# KiCad board FlightComputer.kicad_pcb (continued)
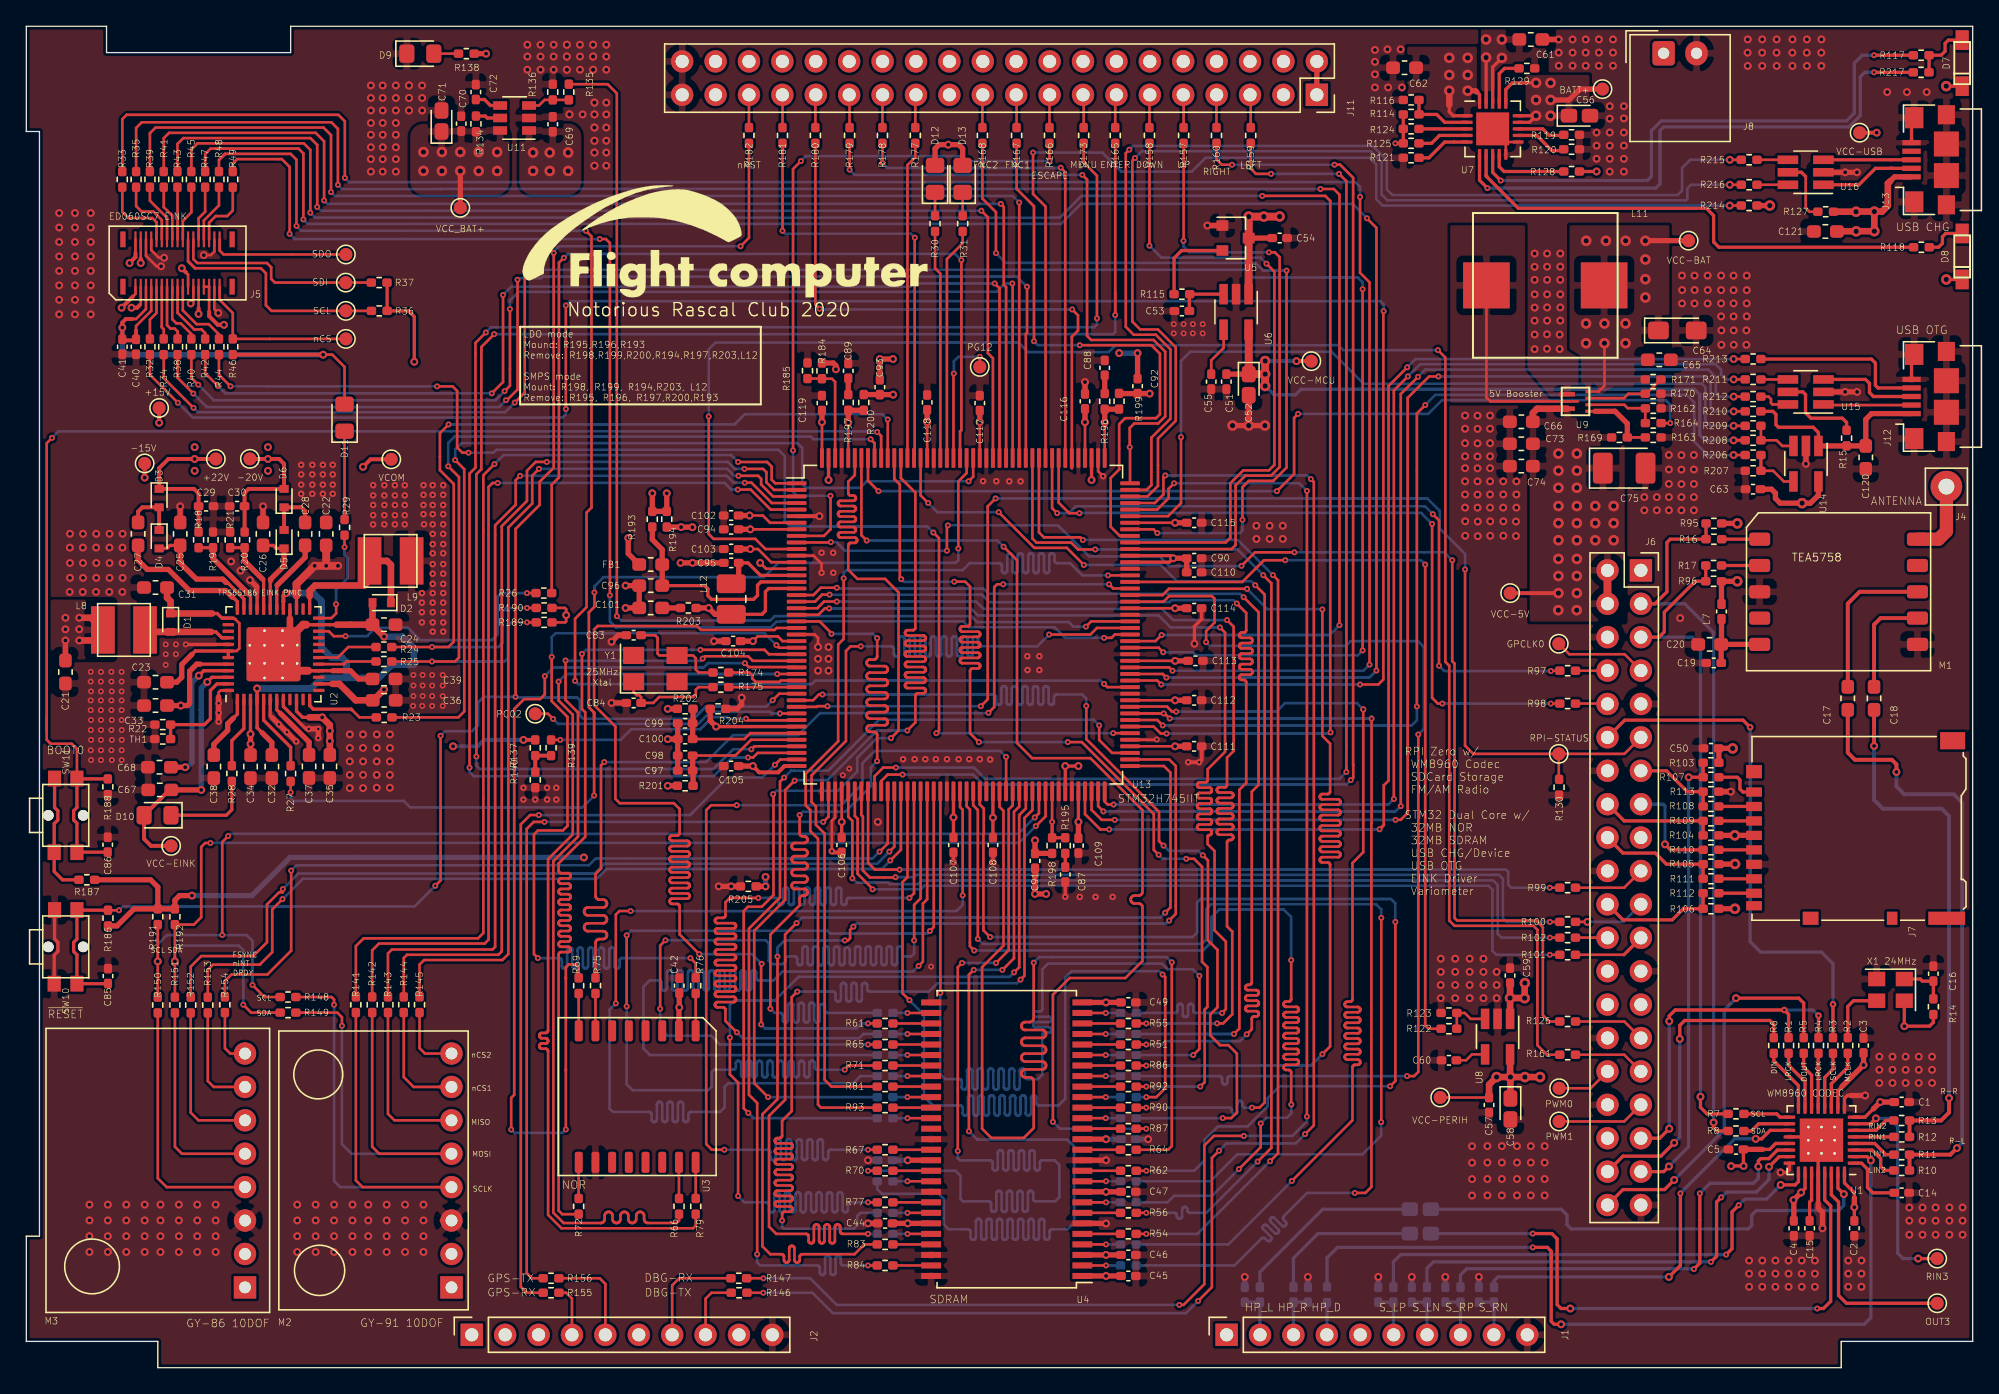
[diagram p0: board, top side]
## Routing (per net, layer and track width the routed paths; a pad name or vN(x,y) marks a point on that pad's centre or on a via; arc(x,y) is an arc through that point) (continued)
  Bottom w0.2: R80.1 63.42,11.78 63.18,11.53 63.18,10.82 62.93,10.57 57.6,10.57 57.5,10.67 57.47,10.67 v1(57.47,11.19) ; v1(75.6,29.51) 75.31,29.22 69.26,29.23 68.63,28.6 64.14,28.6 64.1,28.61 64.05,28.62 64.02,28.64 63.98,28.68 63.96,28.71 63.95,28.76 63.94,28.8 63.94,29.06 63.93,29.1 63.92,29.15 63.9,29.18 63.86,29.22 63.83,29.24 63.78,29.25 63.74,29.26 63.7,29.25 63.65,29.24 63.62,29.22 63.58,29.18 63.56,29.15 63.55,29.1 63.54,29.06 63.54,28.04 63.53,28 63.52,27.95 63.5,27.92 63.46,27.88 63.43,27.86 63.38,27.85 63.34,27.84 63.3,27.85 63.25,27.86 63.22,27.88 63.18,27.92 63.16,27.95 63.15,28 63.14,28.04 63.14,29.06 63.13,29.1 63.12,29.15 63.1,29.18 63.06,29.22 63.03,29.24 62.98,29.25 62.94,29.26 62.9,29.25 62.85,29.24 62.82,29.22 62.78,29.18 62.76,29.15 62.75,29.1 62.74,29.06 62.74,28.04 62.73,28 62.72,27.95 62.7,27.92 62.66,27.88 62.63,27.86 62.58,27.85 62.54,27.84 62.5,27.85 62.45,27.86 62.42,27.88 62.38,27.92 62.36,27.95 62.35,28 62.34,28.04 62.34,29.06 62.33,29.1 62.32,29.15 62.3,29.18 62.26,29.22 62.23,29.24 62.18,29.25 62.14,29.26 62.1,29.25 62.05,29.24 62.02,29.22 61.98,29.18 61.96,29.15 61.95,29.1 61.94,29.06 61.94,28.04 61.93,28 61.92,27.95 61.9,27.92 61.86,27.88 61.83,27.86 61.78,27.85 61.74,27.84 61.7,27.85 61.65,27.86 61.62,27.88 61.58,27.92 61.56,27.95 61.55,28 61.54,28.04 61.54,28.4 61.53,28.44 61.52,28.49 61.5,28.52 61.46,28.56 61.43,28.58 61.38,28.59 61.34,28.6 v1(58.62,28.6)
/MCU/FMC_D13: length 82.2
  Top w0.2: v1(86.6,34.6) 87,35 87,45.25 86.5,45.75 U13.89 ; v1(64,10.17) 62.09,10.17 62.04,10.18 62,10.19 61.96,10.22 61.93,10.25 61.9,10.29 61.89,10.33 61.88,10.38 61.88,10.69 61.88,10.74 61.87,10.78 61.84,10.82 61.81,10.85 61.77,10.87 61.73,10.89 61.69,10.89 61.64,10.89 61.6,10.87 61.56,10.85 61.53,10.82 61.5,10.78 61.49,10.74 61.48,10.69 61.48,9.66 61.48,9.61 61.47,9.57 61.44,9.53 61.41,9.5 61.37,9.48 61.33,9.46 61.28,9.46 61.24,9.46 61.2,9.48 61.16,9.5 61.13,9.53 61.1,9.57 61.09,9.61 61.09,9.66 61.09,10.69 61.08,10.74 61.07,10.78 61.04,10.82 61.01,10.85 60.97,10.87 60.93,10.89 60.88,10.89 60.84,10.89 60.8,10.87 60.76,10.85 60.73,10.82 60.7,10.78 60.69,10.74 60.69,10.69 60.69,9.66 60.68,9.61 60.67,9.57 60.64,9.53 60.61,9.5 60.57,9.48 60.53,9.46 60.48,9.46 60.44,9.46 60.4,9.48 60.36,9.5 60.33,9.53 60.3,9.57 60.29,9.61 60.28,9.66 60.28,10.69 60.28,10.74 60.27,10.78 60.24,10.82 60.21,10.85 60.17,10.87 60.13,10.89 60.09,10.89 60.04,10.89 60,10.87 59.96,10.85 59.93,10.82 59.9,10.78 59.89,10.74 59.88,10.69 59.88,9.66 59.88,9.61 59.87,9.57 59.84,9.53 59.81,9.5 59.77,9.48 59.73,9.46 59.69,9.46 59.64,9.46 59.6,9.48 59.56,9.5 59.53,9.53 59.5,9.57 59.49,9.61 59.48,9.66 59.48,9.97 59.48,10.02 59.47,10.06 59.44,10.1 59.41,10.13 59.37,10.16 59.33,10.17 59.28,10.17 57.02,10.17 56.48,10.72 56.48,19.15 57.7,20.37 57.7,32.94 v1(58.57,33.81)
  Bottom w0.2: v1(86.6,34.6) 86.22,34.22 58.98,34.22 v1(58.57,33.81) ; R82.1 v1(64,10.17)
/MCU/FMC_D14: length 82.2
  Top w0.2: v1(86.9,34) 87.4,34.5 87.4,45.76 86.91,46.25 U13.90 ; v1(62.89,33.54) 62.64,33.29 62.64,32.65 62.48,32.49 v1(62.24,32.49) ; R83.1 63.73,9.38 62.98,8.63 59.01,8.63 58.97,8.62 58.92,8.61 58.89,8.59 58.85,8.55 58.83,8.52 58.82,8.47 58.81,8.43 58.81,8.2 58.8,8.15 58.79,8.11 58.77,8.07 58.73,8.04 58.7,8.02 58.65,8 58.61,8 58.57,8 58.52,8.02 58.49,8.04 58.45,8.07 58.43,8.11 58.42,8.15 58.41,8.2 58.41,9.06 58.4,9.11 58.39,9.15 58.37,9.19 58.33,9.22 58.3,9.24 58.25,9.26 58.21,9.26 58.17,9.26 58.12,9.24 58.09,9.22 58.05,9.19 58.03,9.15 58.02,9.11 58.01,9.06 58.01,8.2 58,8.15 57.99,8.11 57.97,8.07 57.93,8.04 57.9,8.02 57.85,8 57.81,8 57.77,8 57.72,8.02 57.69,8.04 57.65,8.07 57.63,8.11 57.62,8.15 57.61,8.2 57.61,8.43 57.6,8.47 57.59,8.52 57.57,8.55 57.53,8.59 57.5,8.61 57.45,8.62 57.41,8.63 56.57,8.63 55.98,9.22 55.98,19.28 57.12,20.42 v1(57.12,31.26)
  Bottom w0.2: v1(62.24,32.49) 57.66,32.49 57.12,31.95 v1(57.12,31.26) ; v1(62.89,33.54) 63.12,33.78 86.68,33.78 v1(86.9,34)
/MCU/FMC_D15: length 82.2
  Top w0.2: v1(55.58,8.62) 55.58,20.12 54.95,20.75 54.95,33.39 57.31,35.75 57.31,44.56 v1(57.62,44.88) ; U13.91 82.56,46.75 81.58,47.73 v1(81.58,48.84) ; R84.1 v1(64,7.78)
  Bottom w0.2: v1(57.62,44.88) 58.15,45.4 60.98,45.4 64.86,49.28 68.92,49.27 81.15,49.27 v1(81.58,48.84) ; v1(55.58,8.62) 55.58,8 55.8,7.78 60.13,7.78 60.18,7.77 60.22,7.76 60.26,7.73 60.29,7.7 60.32,7.66 60.33,7.62 60.34,7.58 60.34,7.25 60.34,7.2 60.35,7.16 60.38,7.12 60.41,7.09 60.45,7.07 60.49,7.05 60.53,7.05 60.58,7.05 60.62,7.07 60.66,7.09 60.69,7.12 60.72,7.16 60.73,7.2 60.73,7.25 60.73,8.3 60.74,8.35 60.75,8.39 60.78,8.43 60.81,8.46 60.85,8.48 60.89,8.5 60.94,8.5 60.98,8.5 61.02,8.48 61.06,8.46 61.09,8.43 61.12,8.39 61.13,8.35 61.13,8.3 61.13,7.25 61.14,7.2 61.15,7.16 61.18,7.12 61.21,7.09 61.25,7.07 61.29,7.05 61.34,7.05 61.38,7.05 61.42,7.07 61.46,7.09 61.49,7.12 61.52,7.16 61.53,7.2 61.53,7.25 61.53,8.3 61.54,8.35 61.55,8.39 61.58,8.43 61.61,8.46 61.65,8.48 61.69,8.5 61.73,8.5 61.78,8.5 61.82,8.48 61.86,8.46 61.89,8.43 61.92,8.39 61.93,8.35 61.94,8.3 61.94,7.97 61.94,7.93 61.95,7.89 61.98,7.85 62.01,7.82 62.05,7.79 62.09,7.78 62.13,7.78 v1(64,7.78)
/MCU/FMC_nBL0: length 82.2
  Top w0.2: v1(78.06,18.7) 78.06,28.36 79.33,29.63 83.57,29.63 84.87,30.93 84.87,35 84.86,35.07 84.84,35.13 84.8,35.19 84.76,35.23 84.7,35.27 84.64,35.29 84.57,35.3 84.28,35.3 84.21,35.31 84.15,35.33 84.09,35.37 84.04,35.41 84.01,35.47 83.98,35.53 83.98,35.6 83.98,35.67 84.01,35.73 84.04,35.79 84.09,35.83 84.15,35.87 84.21,35.89 84.28,35.9 84.57,35.9 84.64,35.91 84.7,35.93 84.76,35.97 84.8,36.01 84.84,36.07 84.86,36.13 84.87,36.2 84.87,42.39 80.91,46.35 76.48,46.35 75.33,47.5 75.33,61.41 v1(74.31,62.43) ; U13.170 63.5,63.3 v1(63.9,62.9) ; R87.2 v1(85.16,18.17)
  Bottom w0.2: v1(63.9,62.9) 73.84,62.9 v1(74.31,62.43) ; v1(78.06,18.7) 78.58,18.17 85,18.17
/MCU/FMC_nBL1: length 82.2
  Top w0.2: v1(56.79,43.61) 56.81,43.59 56.81,35.94 55.92,35.05 54.87,35.05 54.55,34.73 54.55,19.72 v1(54.9,19.38) ; U13.171 63,67.88 62.5,67.38 62.5,66.52 62.51,66.48 62.52,66.43 62.54,66.4 62.58,66.36 62.61,66.34 62.66,66.33 62.7,66.32 62.88,66.32 62.92,66.31 62.96,66.3 63,66.28 63.03,66.24 63.06,66.21 63.07,66.16 63.08,66.12 63.07,66.08 63.06,66.03 63.03,66 63,65.96 62.96,65.94 62.92,65.93 62.88,65.92 61.92,65.92 61.88,65.91 61.84,65.9 61.8,65.88 61.77,65.84 61.74,65.81 61.73,65.76 61.72,65.72 61.73,65.68 61.74,65.63 61.77,65.6 61.8,65.56 61.84,65.54 61.88,65.53 61.92,65.52 62.88,65.52 62.92,65.51 62.96,65.5 63,65.48 63.03,65.44 63.06,65.41 63.07,65.36 63.08,65.32 63.07,65.28 63.06,65.23 63.03,65.2 63,65.16 62.96,65.14 62.92,65.13 62.88,65.12 61.92,65.12 61.88,65.11 61.84,65.1 61.8,65.08 61.77,65.04 61.74,65.01 61.73,64.96 61.72,64.92 61.73,64.88 61.74,64.83 61.77,64.8 61.8,64.76 61.84,64.74 61.88,64.73 61.92,64.72 62.88,64.72 62.92,64.71 62.96,64.7 63,64.68 63.03,64.64 63.06,64.61 63.07,64.56 63.08,64.52 63.07,64.48 63.06,64.43 63.03,64.4 63,64.36 62.96,64.34 62.92,64.33 62.88,64.32 61.92,64.32 61.88,64.31 61.84,64.3 61.8,64.28 61.77,64.24 61.74,64.21 61.73,64.16 61.72,64.12 61.73,64.08 61.74,64.03 61.77,64 61.8,63.96 61.84,63.94 61.88,63.93 61.92,63.92 62.88,63.92 62.92,63.91 62.96,63.9 63,63.88 63.03,63.84 63.06,63.81 63.07,63.76 63.08,63.72 63.07,63.68 63.06,63.63 63.03,63.6 63,63.56 62.96,63.54 62.92,63.53 62.88,63.52 61.92,63.52 61.88,63.51 61.84,63.5 61.8,63.48 61.77,63.44 61.74,63.41 61.73,63.36 61.72,63.32 61.73,63.28 61.74,63.23 61.77,63.2 61.8,63.16 61.84,63.14 61.88,63.13 61.92,63.12 62.98,63.12 63.02,63.11 63.06,63.1 63.1,63.08 63.13,63.04 63.16,63.01 63.17,62.96 63.18,62.92 63.17,62.88 63.16,62.83 63.13,62.8 63.1,62.76 63.06,62.74 63.02,62.73 62.98,62.72 62.7,62.72 62.66,62.71 62.61,62.7 62.58,62.68 62.54,62.64 62.52,62.61 62.51,62.56 62.5,62.52 62.5,60.67 63.2,59.98 65.3,59.98 66.33,58.95 66.33,48.45 v1(65.75,47.88)
  Bottom w0.2: v1(56.79,43.61) 57.05,43.87 61.72,43.87 63.18,45.33 63.18,46.38 64.67,47.88 v1(65.75,47.88) ; v1(54.9,19.38) 55.3,18.97 R88.2
/MCU/FMC_nCAS: length 82.2
  Top w0.2: v1(73.94,65.05) 76.65,62.34 79.12,62.34 80.41,61.05 v1(80.41,61.04) ; v1(93.45,59.5) 94.16,58.79 94.16,20.16 93.78,19.78 v1(93.2,19.78) ; U13.161 68,66.33 v1(68.58,65.75) ; R90.2 v1(85.16,19.78)
  Bottom w0.2: v1(68.58,65.75) 69.28,65.05 v1(73.94,65.05) ; v1(85.16,19.78) 91.47,19.78 91.52,19.77 91.56,19.76 91.6,19.73 91.63,19.7 91.66,19.66 91.67,19.62 91.67,19.58 91.67,19.46 91.68,19.41 91.69,19.37 91.72,19.33 91.75,19.3 91.79,19.28 91.83,19.26 91.88,19.26 91.92,19.26 91.96,19.28 92,19.3 92.03,19.33 92.06,19.37 92.07,19.41 92.08,19.46 92.08,20.09 92.08,20.14 92.09,20.18 92.12,20.22 92.15,20.25 92.19,20.27 92.23,20.29 92.28,20.29 92.32,20.29 92.36,20.27 92.4,20.25 92.43,20.22 92.46,20.18 92.47,20.14 92.47,20.09 92.47,19.97 92.48,19.93 92.49,19.89 92.52,19.85 92.55,19.82 92.59,19.79 92.63,19.78 92.67,19.78 v1(93.2,19.78) ; v1(93.45,59.5) 93.15,59.8 87.49,59.8 86.25,61.04 v1(80.41,61.04)
/MCU/FMC_nE1: length 82.2
  Top w0.2: v1(86.1,39) 85.73,39.37 85.73,42.1 80.26,47.57 v1(79.19,47.57) ; v1(66.53,59.96) 66.42,60.07 66.42,67.16 66,67.58 U13.165 ; v1(88.2,38.7) 88.79,38.7 89.4,38.09 89.4,30.87 89.81,30.46 89.81,27.44 89.6,27.23 89.6,21.71 v1(89.27,21.38) ; v1(72.43,47.57) 71.76,48.24 71.76,52.97 71.77,53.01 71.78,53.06 71.8,53.09 71.84,53.13 71.87,53.15 71.92,53.16 71.96,53.17 72.33,53.17 72.37,53.18 72.42,53.19 72.45,53.21 72.49,53.25 72.51,53.28 72.52,53.33 72.53,53.37 72.52,53.41 72.51,53.46 72.49,53.49 72.45,53.53 72.42,53.55 72.37,53.56 72.33,53.57 71.19,53.57 71.15,53.58 71.1,53.59 71.07,53.61 71.03,53.65 71.01,53.68 71,53.73 70.99,53.77 71,53.81 71.01,53.86 71.03,53.89 71.07,53.93 71.1,53.95 71.15,53.96 71.19,53.97 72.33,53.97 72.37,53.98 72.42,53.99 72.45,54.01 72.49,54.05 72.51,54.08 72.52,54.13 72.53,54.17 72.52,54.21 72.51,54.26 72.49,54.29 72.45,54.33 72.42,54.35 72.37,54.36 72.33,54.37 71.19,54.37 71.15,54.38 71.1,54.39 71.07,54.41 71.03,54.45 71.01,54.48 71,54.53 70.99,54.57 71,54.61 71.01,54.66 71.03,54.69 71.07,54.73 71.1,54.75 71.15,54.76 71.19,54.77 72.33,54.77 72.37,54.78 72.42,54.79 72.45,54.81 72.49,54.85 72.51,54.88 72.52,54.93 72.53,54.97 72.52,55.01 72.51,55.06 72.49,55.09 72.45,55.13 72.42,55.15 72.37,55.16 72.33,55.17 71.19,55.17 71.15,55.18 71.1,55.19 71.07,55.21 71.03,55.25 71.01,55.28 71,55.33 70.99,55.37 71,55.41 71.01,55.46 71.03,55.49 71.07,55.53 71.1,55.55 71.15,55.56 71.19,55.57 72.33,55.57 72.37,55.58 72.42,55.59 72.45,55.61 72.49,55.65 72.51,55.68 72.52,55.73 72.53,55.77 72.52,55.81 72.51,55.86 72.49,55.89 72.45,55.93 72.42,55.95 72.37,55.96 72.33,55.97 71.19,55.97 71.15,55.98 71.1,55.99 71.07,56.01 71.03,56.05 71.01,56.08 71,56.13 70.99,56.17 71,56.21 71.01,56.26 71.03,56.29 71.07,56.33 71.1,56.35 71.15,56.36 71.19,56.37 71.56,56.37 71.6,56.38 71.65,56.39 71.68,56.41 71.72,56.45 71.74,56.48 71.75,56.53 71.76,56.57 71.76,59.4 71.39,59.77 v1(70.56,59.77) ; R92.2 v1(85.16,21.38)
  Bottom w0.2: v1(85.16,21.38) v1(89.27,21.38) ; v1(86.1,39) 86.4,38.7 v1(88.2,38.7) ; v1(70.56,59.77) 70.55,59.76 66.73,59.76 v1(66.53,59.96) ; v1(72.43,47.57) v1(79.19,47.57)
/MCU/FMC_nRAS: length 82.2
  Top w0.2: v1(67.16,27.94) 66.62,28.47 66.62,36.92 67,37.3 U13.58 ; v1(86.4,29.9) 86.6,29.7 86.6,21.25 85.92,20.58 v1(85.16,20.58)
  Bottom w0.2: v1(67.16,27.94) 68.26,26.84 68.26,20.62 68.94,19.94 71,19.94 71.04,19.93 71.09,19.92 71.12,19.9 71.16,19.86 71.18,19.83 71.19,19.78 71.2,19.74 71.2,19.37 71.21,19.33 71.22,19.29 71.24,19.25 71.28,19.22 71.31,19.19 71.36,19.18 71.4,19.17 71.44,19.18 71.49,19.19 71.52,19.22 71.56,19.25 71.58,19.29 71.59,19.33 71.6,19.37 71.6,20.51 71.61,20.55 71.62,20.59 71.64,20.63 71.68,20.66 71.71,20.69 71.76,20.7 71.8,20.71 71.84,20.7 71.89,20.69 71.92,20.66 71.96,20.63 71.98,20.59 71.99,20.55 72,20.51 72,19.37 72.01,19.33 72.02,19.29 72.04,19.25 72.08,19.22 72.11,19.19 72.16,19.18 72.2,19.17 72.24,19.18 72.29,19.19 72.32,19.22 72.36,19.25 72.38,19.29 72.39,19.33 72.4,19.37 72.4,20.51 72.41,20.55 72.42,20.59 72.44,20.63 72.48,20.66 72.51,20.69 72.56,20.7 72.6,20.71 72.64,20.7 72.69,20.69 72.72,20.66 72.76,20.63 72.78,20.59 72.79,20.55 72.8,20.51 72.8,19.37 72.81,19.33 72.82,19.29 72.84,19.25 72.88,19.22 72.91,19.19 72.96,19.18 73,19.17 73.04,19.18 73.09,19.19 73.12,19.22 73.16,19.25 73.18,19.29 73.19,19.33 73.2,19.37 73.2,20.51 73.21,20.55 73.22,20.59 73.24,20.63 73.28,20.66 73.31,20.69 73.36,20.7 73.4,20.71 73.44,20.7 73.49,20.69 73.52,20.66 73.56,20.63 73.58,20.59 73.59,20.55 73.6,20.51 73.6,19.37 73.61,19.33 73.62,19.29 73.64,19.25 73.68,19.22 73.71,19.19 73.76,19.18 73.8,19.17 73.84,19.18 73.89,19.19 73.92,19.22 73.96,19.25 73.98,19.29 73.99,19.33 74,19.37 74,20.51 74.01,20.55 74.02,20.59 74.04,20.63 74.08,20.66 74.11,20.69 74.16,20.7 74.2,20.71 74.24,20.7 74.29,20.69 74.32,20.66 74.36,20.63 74.38,20.59 74.39,20.55 74.4,20.51 74.4,19.37 74.41,19.33 74.42,19.29 74.44,19.25 74.48,19.22 74.51,19.19 74.56,19.18 74.6,19.17 74.64,19.18 74.69,19.19 74.72,19.22 74.76,19.25 74.78,19.29 74.79,19.33 74.8,19.37 74.8,20.51 74.81,20.55 74.82,20.59 74.84,20.63 74.88,20.66 74.91,20.69 74.96,20.7 75,20.71 75.04,20.7 75.09,20.69 75.12,20.66 75.16,20.63 75.18,20.59 75.19,20.55 75.2,20.51 75.2,19.37 75.21,19.33 75.22,19.29 75.24,19.25 75.28,19.22 75.31,19.19 75.36,19.18 75.4,19.17 75.44,19.18 75.49,19.19 75.52,19.22 75.56,19.25 75.58,19.29 75.59,19.33 75.6,19.37 75.6,20.51 75.61,20.55 75.62,20.59 75.64,20.63 75.68,20.66 75.71,20.69 75.76,20.7 75.8,20.71 75.84,20.7 75.89,20.69 75.92,20.66 75.96,20.63 75.98,20.59 75.99,20.55 76,20.51 76,19.37 76.01,19.33 76.02,19.29 76.04,19.25 76.08,19.22 76.11,19.19 76.16,19.18 76.2,19.17 76.24,19.18 76.29,19.19 76.32,19.22 76.36,19.25 76.38,19.29 76.39,19.33 76.4,19.37 76.4,20.51 76.41,20.55 76.42,20.59 76.44,20.63 76.48,20.66 76.51,20.69 76.56,20.7 76.6,20.71 76.64,20.7 76.69,20.69 76.72,20.66 76.76,20.63 76.78,20.59 76.79,20.55 76.8,20.51 76.8,20.14 76.81,20.1 76.82,20.05 76.84,20.02 76.88,19.98 76.91,19.96 76.96,19.95 77,19.94 78.48,19.94 79,20.46 79,29.65 79.49,30.15 86.15,30.15 v1(86.4,29.9) ; R91.2 v1(85.16,20.58)
/MCU/FMC_nWE: length 82.2
  Top w0.2: v1(60.54,51.19) 60.26,51.19 59.82,50.75 U13.34 ; v1(89.46,38.96) 89.85,38.58 89.85,32.5 90.57,31.78 90.57,27.41 90.03,26.86 90.03,25.27 90.76,24.54 90.76,24.52 91.41,24.52 92.05,23.88 92.05,19.41 91.62,18.98 v1(90.97,18.98) ; v1(86.48,39.7) 86.13,40.04 86.13,42.26 80.6,47.79 v1(80.6,50.33)
  Bottom w0.2: v1(60.54,51.19) 73.54,51.19 73.58,51.18 73.63,51.17 73.66,51.15 73.7,51.11 73.72,51.08 73.73,51.03 73.74,50.99 73.74,50.6 73.75,50.56 73.76,50.52 73.78,50.48 73.82,50.45 73.85,50.42 73.9,50.41 73.94,50.4 73.98,50.41 74.03,50.42 74.06,50.45 74.1,50.48 74.12,50.52 74.13,50.56 74.14,50.6 74.14,51.63 74.15,51.67 74.16,51.71 74.18,51.75 74.22,51.78 74.25,51.81 74.3,51.82 74.34,51.83 74.38,51.82 74.43,51.81 74.46,51.78 74.5,51.75 74.52,51.71 74.53,51.67 74.54,51.63 74.54,50.6 74.55,50.56 74.56,50.52 74.58,50.48 74.62,50.45 74.65,50.42 74.7,50.41 74.74,50.4 74.78,50.41 74.83,50.42 74.86,50.45 74.9,50.48 74.92,50.52 74.93,50.56 74.94,50.6 74.94,51.63 74.95,51.67 74.96,51.71 74.98,51.75 75.02,51.78 75.05,51.81 75.1,51.82 75.14,51.83 75.18,51.82 75.23,51.81 75.26,51.78 75.3,51.75 75.32,51.71 75.33,51.67 75.34,51.63 75.34,50.6 75.35,50.56 75.36,50.52 75.38,50.48 75.42,50.45 75.45,50.42 75.5,50.41 75.54,50.4 75.58,50.41 75.63,50.42 75.66,50.45 75.7,50.48 75.72,50.52 75.73,50.56 75.74,50.6 75.74,51.63 75.75,51.67 75.76,51.71 75.78,51.75 75.82,51.78 75.85,51.81 75.9,51.82 75.94,51.83 75.98,51.82 76.03,51.81 76.06,51.78 76.1,51.75 76.12,51.71 76.13,51.67 76.14,51.63 76.14,50.6 76.15,50.56 76.16,50.52 76.18,50.48 76.22,50.45 76.25,50.42 76.3,50.41 76.34,50.4 76.38,50.41 76.43,50.42 76.46,50.45 76.5,50.48 76.52,50.52 76.53,50.56 76.54,50.6 76.54,51.63 76.55,51.67 76.56,51.71 76.58,51.75 76.62,51.78 76.65,51.81 76.7,51.82 76.74,51.83 76.78,51.82 76.83,51.81 76.86,51.78 76.9,51.75 76.92,51.71 76.93,51.67 76.94,51.63 76.94,50.6 76.95,50.56 76.96,50.52 76.98,50.48 77.02,50.45 77.05,50.42 77.1,50.41 77.14,50.4 77.18,50.41 77.23,50.42 77.26,50.45 77.3,50.48 77.32,50.52 77.33,50.56 77.34,50.6 77.34,51.63 77.35,51.67 77.36,51.71 77.38,51.75 77.42,51.78 77.45,51.81 77.5,51.82 77.54,51.83 77.58,51.82 77.63,51.81 77.66,51.78 77.7,51.75 77.72,51.71 77.73,51.67 77.74,51.63 77.74,50.6 77.75,50.56 77.76,50.52 77.78,50.48 77.82,50.45 77.85,50.42 77.9,50.41 77.94,50.4 77.98,50.41 78.03,50.42 78.06,50.45 78.1,50.48 78.12,50.52 78.13,50.56 78.14,50.6 78.14,50.99 78.15,51.03 78.16,51.08 78.18,51.11 78.22,51.15 78.25,51.17 78.3,51.18 78.34,51.19 80.29,51.19 80.6,50.88 v1(80.6,50.33) ; v1(86.48,39.7) 86.88,39.3 89.12,39.3 v1(89.46,38.96) ; R89.2 90.97,18.97 v1(90.97,18.98)
/MCU/MCU_POWER/SMPS_OUT: length 18.3
  Top w0.25: U13.17 56.45,59.25 56.2,59 56.2,57.55 55.94,57.29 L12.1
  Top w0.4: v2(85.42,74.07) 85.42,74.07 C92.2 83.11,74.07 R199.1 ; R203.2 v2(51.89,57.77) 52.37,57.29 L12.1 ; R198.1 78,39.11 C91.2 v2(76.7,40.1) ; v2(65.91,73.99) 65.91,73.99 C93.2 64.89,74 R200.1 ; v2(50.65,63.91) 50.64,63.92 v2(49.79,63.92) 49.79,63.92 R194.1
/MCU/MCU_POWER/VCAP: length 14.1
  Top w0.2: U13.133 v2(82,71.88) ; U13.80 v1(78,41.5) ; U13.172 v2(62.5,71.88)
  Top w0.25: v1(78,41.5) R198.2 R195.2
  Top w0.4: R200.2 R197.2 v2(62.5,71.88) ; R199.2 83.08,72.88 R196.2 v2(82,71.88)
/MCU/MCU_POWER/VLXSMPS: length 7.3
  Top w0.2: 54.09,60.1 L12.2
  Top w0.25: U13.15 55.82,60.25 54.87,61.2 C95.1
  Top w0.4: L12.2 54.17,60.18 C95.1
/MCU/MCU_POWER/VREF+: length 10.4
  Top w0.2: U13.39 55.05,48.25 54.6,47.8 C100.1
  Top w0.4: C100.1 C99.1 50.7,49.03 R202.1
/MCU/PWR_5V_EN: length 70.7
  Top w0.2: U13.169 64,67.45 v1(64.8,66.65) ; 124.3,71.83 v1(125,71.83) ; v1(95.09,66.65) 96.4,67.96 96.4,72.22 v1(96.7,72.53)
  Bottom w0.2: v1(64.8,66.65) v1(95.09,66.65) ; v1(125,71.83) 125,73.22 124.65,73.57 107.65,73.57 106.6,72.53 v1(96.7,72.53)
/MCU/PWR_BAT+_EN: length 83.5
  Top w0.2: R135.1 44.2,97.6 44.9,96.9 v1(44.9,57.15) ; v1(80.57,56.35) 80.97,56.75 U13.111
  Bottom w0.2: v1(44.9,57.15) 45.24,56.81 56.56,56.81 56.9,57.15 71.84,57.15 72.29,56.7 79.26,56.7 79.61,56.35 v1(80.57,56.35)
/MCU/PWR_LED1: length 17.4
  Top w0.2: R30.1 69.1,83.6 69.5,83.2 U13.158
/MCU/PWR_LED2: length 17.7
  Top w0.2: R31.1 71.2,85.5 70,84.3 U13.157
/MCU/PWR_PERIPH_EN: length 59.6
  Top w0.2: v1(95.73,61.4) 95.73,61.4 94.1,61.4 92.46,59.75 U13.117 ; R122.2 106.61,25.78 106.37,26.02 v1(106.37,61.07)
  Bottom w0.2: v1(95.73,61.4) 98.89,61.4 98.9,61.4 ; 98.9,61.4 106.04,61.4 v1(106.37,61.07) ; 98.9,61.4 98.88,61.4 98.88,61.4
/MCU/RPI_STATUS: length 99.3
  Top w0.2: U13.35 60.1,50.25 60.15,50.3 v1(60.92,50.3) ; TP14.1 116.53,44.76 R130.1 ; TP14.1 116.54,46.66 ; TP14.1 110.03,46.67 109.4,47.3 v1(109.4,60.7) ; TP14.1 121.52,46.67 J6.11 ; v1(73.7,66.1) 73.1,65.5 73.1,50.82 v1(72.58,50.3)
  Bottom w0.2: v1(109.4,60.7) 109.4,61.88 107.48,63.8 107.48,65.15 106.53,66.1 v1(73.7,66.1) ; 72.65,50.25 72.63,50.25 v1(72.58,50.3) 72.57,50.29 60.93,50.29 v1(60.92,50.3)
/MCU/USB_FS_DN: length 80.4
  Top w0.2: v1(84.3,91.98) 84.1,91.78 84.1,79.55 84.7,78.95 86.05,78.95 87.4,77.6 87.4,72 86.05,70.65 86.05,67.05 85.25,66.25 U13.130 ; R216.1 v2(129.53,89.95)
  Bottom w0.2: v2(129.53,89.95) 126.58,89.95 126.3,89.67 126.3,88.88 126.2,88.77 103.5,88.77 103.05,89.22 103.05,91.67 102.22,92.5 84.82,92.5 v1(84.3,91.98)
/MCU/USB_FS_DP: length 82
  Top w0.2: R215.1 v2(129.53,91.85) ; v1(83.87,92.62) 83.6,92.35 83.6,79.15 84.2,78.55 85.88,78.55 87,77.43 87,72.17 85.55,70.72 85.55,67.12 85.18,66.75 U13.131
  Bottom w0.2: v2(129.53,91.85) 126.53,91.85 125.9,91.23 125.9,89.5 125.57,89.17 103.88,89.17 103.45,89.6 103.45,91.83 102.38,92.9 84.15,92.9 v1(83.87,92.62)
/MCU/USB_FS_VBUS: length 81.6
  Top w0.2: R214.1 v2(129.53,88.37) ; v1(76.55,92.4) 76.55,89.25 77.5,88.3 U13.142
  Bottom w0.2: v1(76.55,92.4) 81.82,92.4 83.27,90.95 88.62,90.95 89.67,92 102.15,92 102.65,91.5 102.65,88.85 103.13,88.37 v2(129.53,88.37)
/MCU/USB_HS_DN: length 84.4
  Top w0.2: v1(105.83,75.35) 104.51,74.04 v1(104.51,42.7) ; U13.87 81.5,42.7 v1(81.9,42.3) ; R212.1 v2(129.83,73.84)
  Bottom w0.2: v1(105.83,75.35) 106.37,75.9 127.9,75.9 128.47,75.33 128.47,74.04 128.67,73.84 v2(129.83,73.84) ; v1(104.51,42.7) 104.11,42.3 v1(81.9,42.3)
/MCU/USB_HS_DP: length 82.3
  Top w0.2: R211.1 v2(129.83,75.15) ; v1(105.05,75.38) 103.99,74.31 v1(103.99,43.24) ; U13.88 82,43.05 82.22,42.83 v1(82.67,42.83)
  Bottom w0.2: v1(103.99,43.24) 103.57,42.83 v1(82.67,42.83) ; v1(105.05,75.38) 105.97,76.3 128.45,76.3 128.87,75.88 128.87,75.5 129.22,75.15 v2(129.83,75.15)
/MCU/USB_HS_ID: length 86.9
  Top w0.2: U13.85 80.5,42.09 81.66,40.93 v1(82.34,40.93) ; 103.16,41.2 v1(102.9,40.94) 103.22,41.26 103.22,44.28 103.58,44.65 103.58,74.65 v1(105,76.07) ; R213.1 v2(129.82,76.7)
  Bottom w0.2: v1(82.34,40.93) 102.89,40.93 v1(102.9,40.94) ; v1(105,76.07) 105.63,76.7 v2(129.82,76.7)
/MCU/USB_HS_OVCR: length 62.1
  Top w0.2: v1(87.8,70.75) 87.8,65.74 86.81,64.75 U13.127 ; R209.1 v2(129.82,71.62)
  Bottom w0.2: v2(129.82,71.62) 128.05,71.62 127.67,72 127.67,74.56 127.4,74.82 101.68,74.82 99.26,77.25 88.5,77.25 87.8,76.55 v1(87.8,70.75)
/MCU/USB_HS_PWR_EN: length 74.7
  Top w0.2: v1(106.38,73.2) 105.73,72.56 v1(105.73,50.28) ; R206.1 v2(129.82,69.4) ; U13.96 86,49.25 v1(86.41,48.84)
  Bottom w0.2: v1(86.41,48.84) 97.38,48.84 97.39,48.83 105.33,48.83 105.73,49.23 v1(105.73,50.28) ; v2(129.82,69.4) 127.84,69.4 126.82,70.42 126.82,73.41 126.25,73.97 107.15,73.97 v1(106.38,73.2)
/MCU/USB_HS_VBUS: length 86.1
  Top w0.2: U13.86 81,42.42 81.76,41.66 v1(82.76,41.66) ; v1(107.37,75.37) 106.66,75.37 105.04,73.75 105.04,42.19 104.51,41.66 v1(104.11,41.66) ; R210.1 v2(129.83,72.72)
  Bottom w0.2: v2(129.83,72.72) 128.34,72.72 128.07,72.99 128.07,74.9 127.6,75.37 v1(107.37,75.37) ; v1(82.76,41.66) v1(104.11,41.66)
/Memory/NOR_CLK: length 75
  Top w0.2: v1(40.48,52.17) 40.48,50.73 41.55,49.66 41.55,40.55 39.67,38.67 39.67,25.66 39.67,25.61 39.66,25.57 39.63,25.53 39.6,25.5 39.56,25.47 39.52,25.46 39.47,25.46 39.21,25.46 39.16,25.45 39.12,25.44 39.08,25.41 39.05,25.38 39.03,25.34 39.01,25.3 39.01,25.26 39.01,25.21 39.03,25.17 39.05,25.13 39.08,25.1 39.12,25.07 39.16,25.06 39.21,25.06 39.47,25.06 39.52,25.05 39.56,25.04 39.6,25.01 39.63,24.98 39.66,24.94 39.67,24.9 39.67,24.86 39.67,24.81 39.66,24.77 39.63,24.73 39.6,24.7 39.56,24.67 39.52,24.66 39.47,24.66 39.21,24.66 39.16,24.65 39.12,24.64 39.08,24.61 39.05,24.58 39.03,24.54 39.01,24.5 39.01,24.46 39.01,24.41 39.03,24.37 39.05,24.33 39.08,24.3 39.12,24.27 39.16,24.26 39.21,24.26 39.47,24.26 39.52,24.25 39.56,24.24 39.6,24.21 39.63,24.18 39.66,24.14 39.67,24.1 39.67,24.06 39.67,11.62 40.69,10.6 50.7,10.6 50.9,10.8 R79.1 ; U13.30 v1(57.1,52.75)
  Bottom w0.2: v1(57.1,52.75) 43.25,52.75 ; 43.25,52.75 42.95,52.75 ; 43.25,52.75 41.05,52.75 v1(40.48,52.17)
/Memory/NOR_DQ0: length 75
  Top w0.2: R66.2 49.63,11.18 49.45,11 47.28,11 47.21,11.01 47.15,11.03 47.09,11.07 47.04,11.11 47.01,11.17 46.98,11.23 46.98,11.3 46.98,11.55 46.97,11.62 46.95,11.68 46.91,11.74 46.86,11.79 46.81,11.82 46.74,11.84 46.68,11.85 46.61,11.84 46.55,11.82 46.49,11.79 46.44,11.74 46.41,11.68 46.38,11.62 46.38,11.55 46.38,11.3 46.37,11.23 46.35,11.17 46.31,11.11 46.26,11.07 46.21,11.03 46.14,11.01 46.08,11 46.01,11.01 45.95,11.03 45.89,11.07 45.84,11.11 45.81,11.17 45.78,11.23 45.78,11.3 45.78,11.55 45.77,11.62 45.75,11.68 45.71,11.74 45.66,11.79 45.61,11.82 45.54,11.84 45.48,11.85 45.41,11.84 45.35,11.82 45.29,11.79 45.24,11.74 45.21,11.68 45.18,11.62 45.18,11.55 45.18,11.3 45.17,11.23 45.15,11.17 45.11,11.11 45.06,11.07 45.01,11.03 44.94,11.01 44.88,11 44.81,11.01 44.75,11.03 44.69,11.07 44.64,11.11 44.61,11.17 44.58,11.23 44.58,11.3 44.58,11.55 44.57,11.62 44.55,11.68 44.51,11.74 44.46,11.79 44.41,11.82 44.34,11.84 44.28,11.85 44.21,11.84 44.15,11.82 44.09,11.79 44.04,11.74 44.01,11.68 43.98,11.62 43.98,11.55 43.98,11.3 43.97,11.23 43.95,11.17 43.91,11.11 43.86,11.07 43.81,11.03 43.74,11.01 43.68,11 40.86,11 40.07,11.78 40.07,38.51 41.95,40.38 41.95,49.82 41,50.77 v1(41,53.77) ; v1(51.43,53.92) 51.6,54.09 54.89,54.09 55.24,53.75 U13.28
  Bottom w0.2: v1(41,53.77) 41.02,53.75 51.26,53.75 v1(51.43,53.92)
